# KiCad board FrontEnd_5G.kicad_pcb (continued)
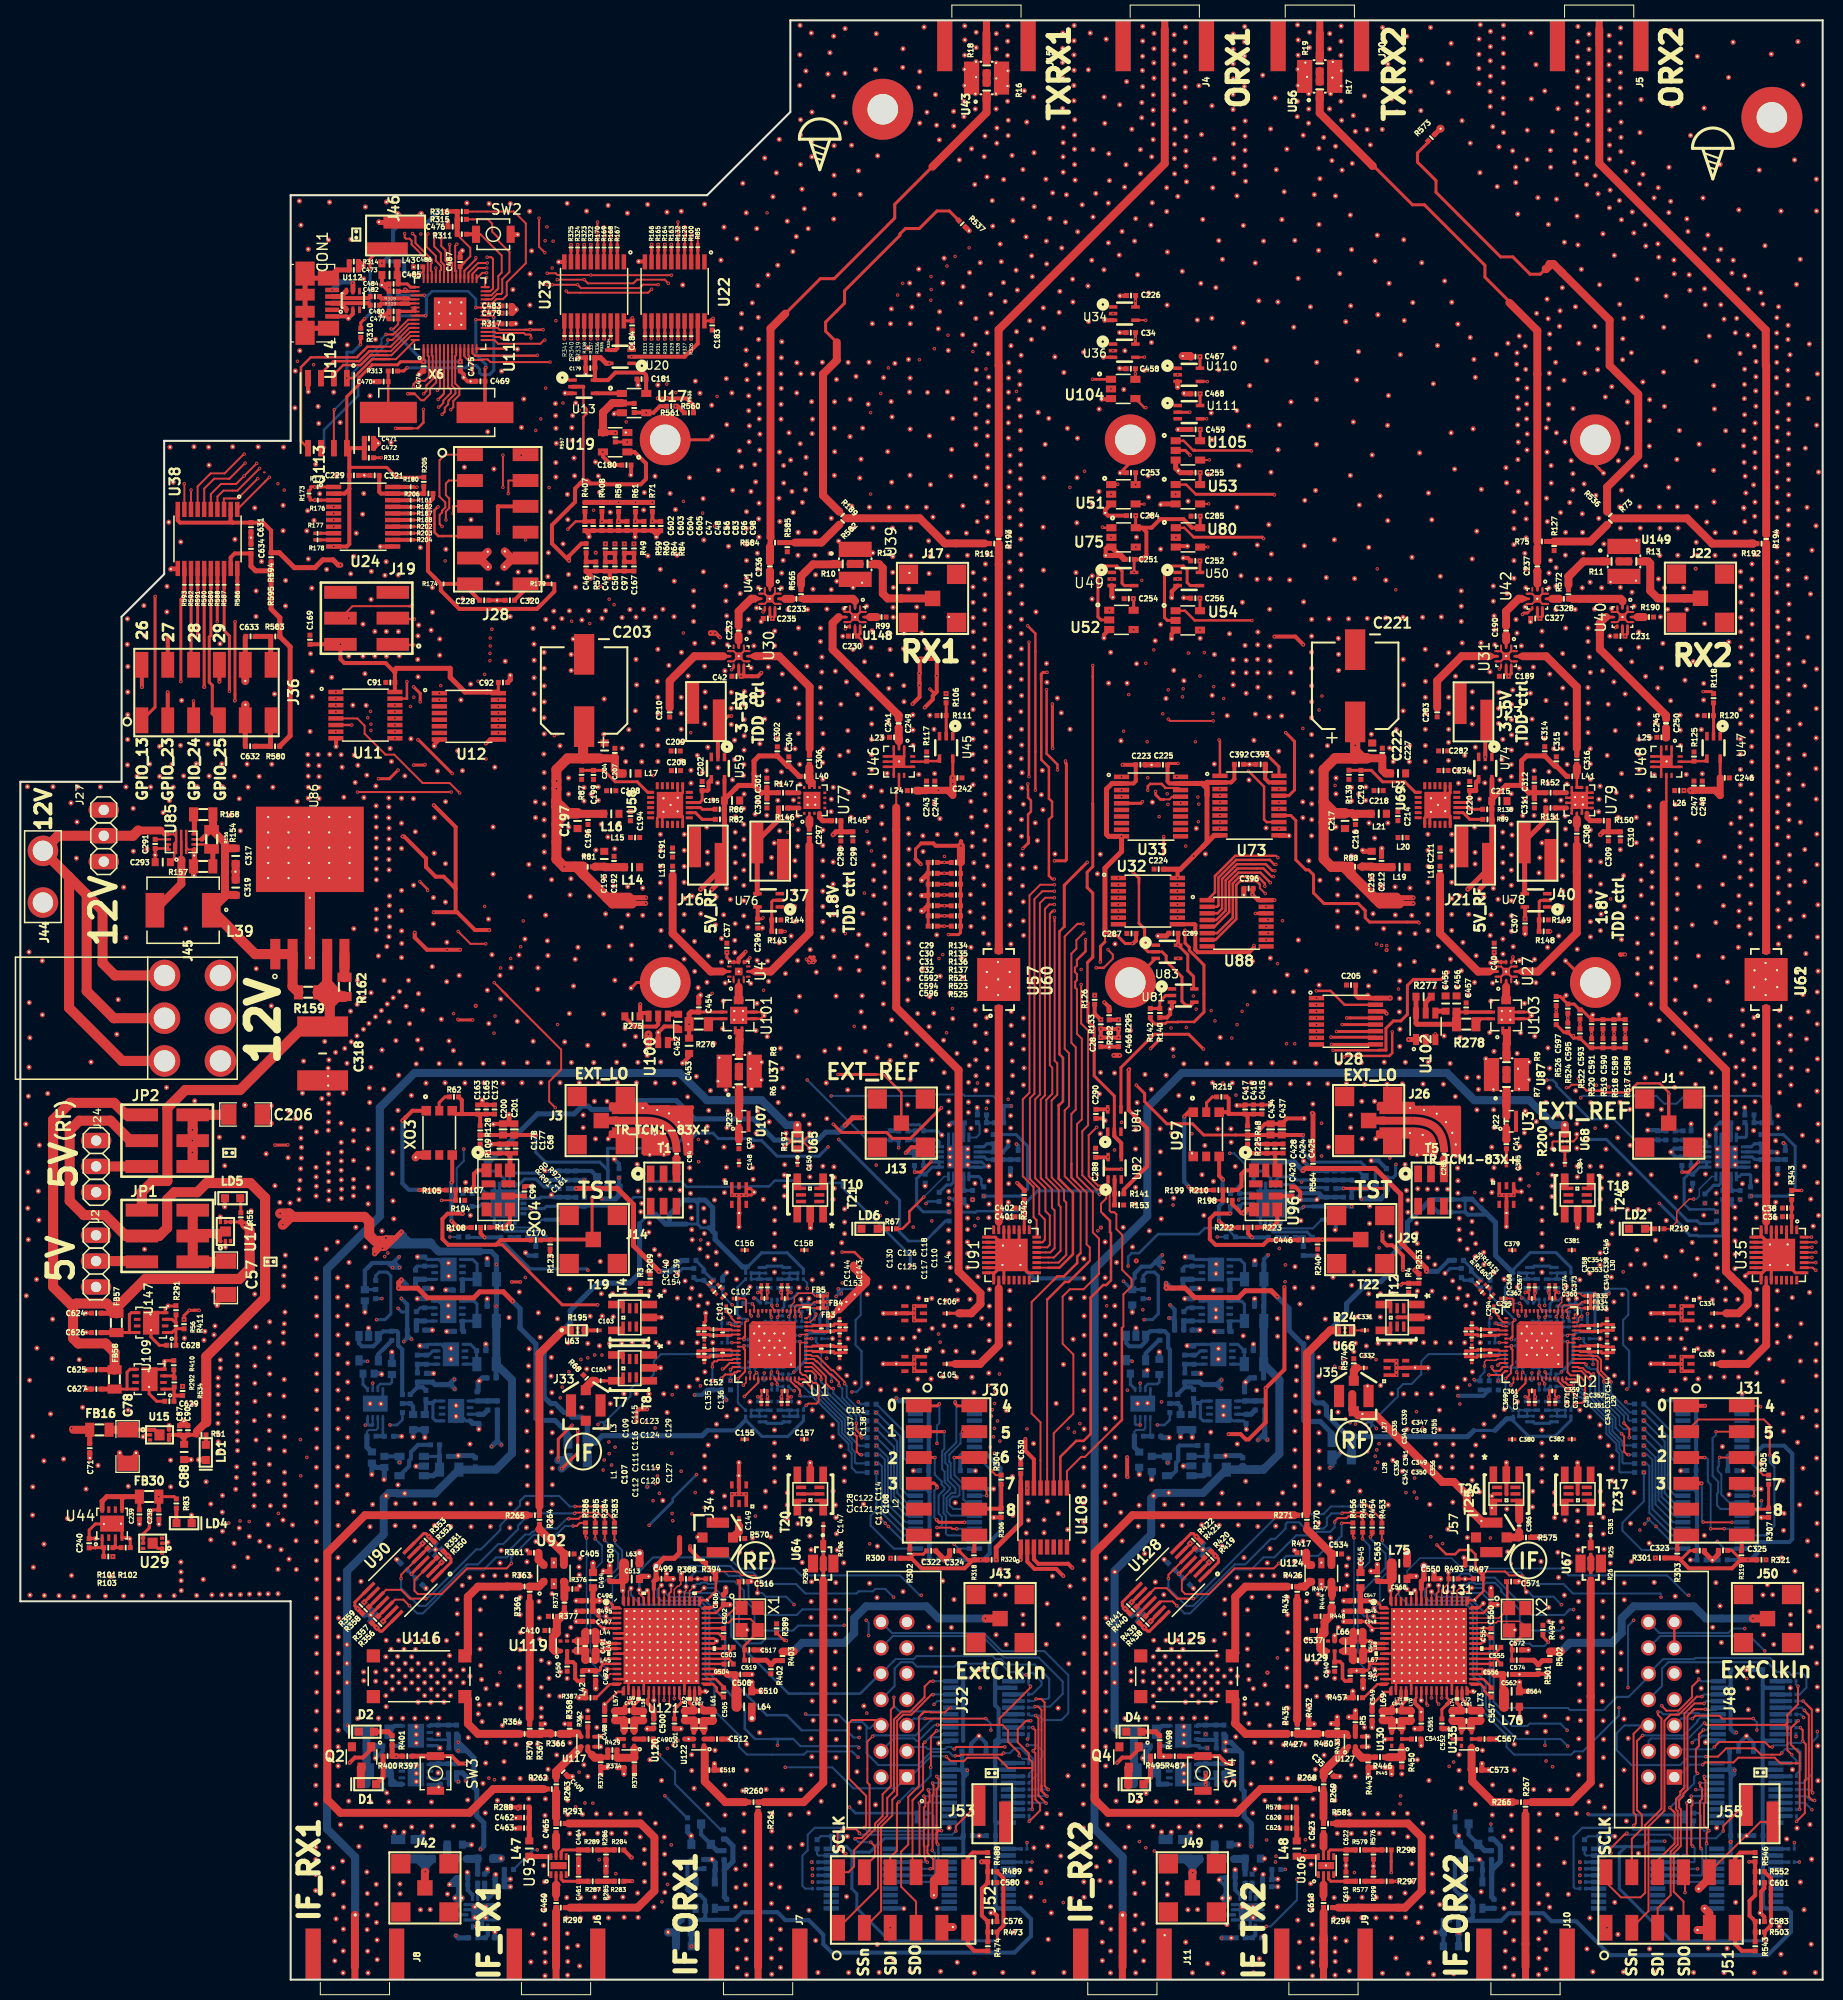
[diagram p0: board, top side]
## Placement (name value [footprint] x y rotation side) (continued)
GND_VIA#2513  VAL**  [GND_VIA#3]  58.44 98.23 90 top
GND_VIA#2514  VAL**  [GND_VIA#3]  110.91 165.77 90 top
GND_VIA#2515  VAL**  [GND_VIA#3]  112.73 164.59 90 top
GND_VIA#2516  VAL**  [GND_VIA#3]  117.81 158.23 90 top
GND_VIA#2517  VAL**  [GND_VIA#3]  119.36 160.4 90 top
GND_VIA#2518  VAL**  [GND_VIA#3]  119.59 154.23 90 top
GND_VIA#2519  VAL**  [GND_VIA#3]  117.06 154 90 top
GND_VIA#2520  VAL**  [GND_VIA#3]  139.31 160.62 90 top
GND_VIA#2521  VAL**  [GND_VIA#3]  158.93 96.8 90 top
GND_VIA#2522  VAL**  [GND_VIA#3]  158.97 98.87 90 top
GND_VIA#2523  VAL**  [GND_VIA#3]  158.99 100.37 90 top
GND_VIA#2524  VAL**  [GND_VIA#3]  158.97 101.88 90 top
GND_VIA#2525  VAL**  [GND_VIA#3]  157.6 108.51 90 top
GND_VIA#2526  VAL**  [GND_VIA#3]  157.69 105.5 90 top
GND_VIA#2527  VAL**  [GND_VIA#3]  157.4 102.23 90 top
GND_VIA#2528  VAL**  [GND_VIA#3]  158.93 104.34 90 top
GND_VIA#2529  VAL**  [GND_VIA#3]  164.67 87.99 90 top
GND_VIA#2530  VAL**  [GND_VIA#3]  124.53 98.75 90 top
GND_VIA#2531  VAL**  [GND_VIA#3]  63.87 146.08 90 top
GND_VIA#2532  VAL**  [GND_VIA#3]  29.33 152.96 0 top
GND_VIA#2533  VAL**  [GND_VIA#3]  26.99 154.49 0 top
GND_VIA#2534  VAL**  [GND_VIA#3]  32.47 138.18 0 top
GND_VIA#2535  VAL**  [GND_VIA#3]  28.16 142.4 0 top
GND_VIA#2536  VAL**  [GND_VIA#3]  28.24 144.38 0 top
GND_VIA#2537  VAL**  [GND_VIA#3]  30.8 156.03 0 top
GND_VIA#2538  VAL**  [GND_VIA#3]  27.03 158.12 0 top
GND_VIA#2539  VAL**  [GND_VIA#3]  45.94 152.14 0 top
GND_VIA#2540  VAL**  [GND_VIA#3]  57.78 174.39 0 top
GND_VIA#2541  VAL**  [GND_VIA#3]  44.3 143.5 0 top
GND_VIA#2542  VAL**  [GND_VIA#3]  43.65 148.66 0 top
GND_VIA#2543  VAL**  [GND_VIA#3]  99.98 111.96 90 top
GND_VIA#2544  VAL**  [GND_VIA#3]  99.8 109.31 90 top
GND_VIA#2545  VAL**  [GND_VIA#3]  100.47 118.86 90 top
GND_VIA#2546  VAL**  [GND_VIA#3]  106.97 127.44 90 top
GND_VIA#2547  VAL**  [GND_VIA#3]  99.84 134.44 90 top
GND_VIA#2548  VAL**  [GND_VIA#3]  100.55 142.77 90 top
GND_VIA#2549  VAL**  [GND_VIA#3]  100.06 154.05 90 top
GND_VIA#2550  VAL**  [GND_VIA#3]  106.03 146.27 90 top
GND_VIA#2551  VAL**  [GND_VIA#3]  101.69 159.5 90 top
GND_VIA#2552  VAL**  [GND_VIA#3]  101.09 153.46 90 top
GND_VIA#2553  VAL**  [GND_VIA#3]  102.93 152.48 90 top
GND_VIA#2554  VAL**  [GND_VIA#3]  100.88 129.37 90 top
GND_VIA#2555  VAL**  [GND_VIA#3]  100.92 127.52 90 top
GND_VIA#2556  VAL**  [GND_VIA#3]  101.94 125.96 90 top
GND_VIA#2557  VAL**  [GND_VIA#3]  102.33 124.51 90 top
GND_VIA#2558  VAL**  [GND_VIA#3]  107.18 130.46 90 top
GND_VIA#2559  VAL**  [GND_VIA#3]  100.58 138.54 90 top
GND_VIA#2560  VAL**  [GND_VIA#3]  103.77 138.3 90 top
GND_VIA#2561  VAL**  [GND_VIA#3]  103.86 143.19 90 top
GND_VIA#2562  VAL**  [GND_VIA#3]  100.61 147.62 90 top
GND_VIA#2563  VAL**  [GND_VIA#3]  103.88 147.62 90 top
GND_VIA#2564  VAL**  [GND_VIA#3]  100.74 150.9 90 top
GND_VIA#2565  VAL**  [GND_VIA#3]  106.19 89.16 90 top
GND_VIA#2566  VAL**  [GND_VIA#3]  107.56 89.11 90 top
GND_VIA#2567  VAL**  [GND_VIA#3]  99.77 113.7 90 top
GND_VIA#2568  VAL**  [GND_VIA#3]  100.52 114.98 90 top
GND_VIA#2569  VAL**  [GND_VIA#3]  120.13 135.38 90 top
GND_VIA#2570  VAL**  [GND_VIA#3]  103.92 151.5 90 top
GND_VIA#2571  VAL**  [GND_VIA#3]  104.53 159.97 90 top
GND_VIA#2572  VAL**  [GND_VIA#3]  108.58 160.11 90 top
GND_VIA#2573  VAL**  [GND_VIA#3]  108.47 156.3 90 top
GND_VIA#2574  VAL**  [GND_VIA#3]  109.72 141.79 90 top
GND_VIA#2575  VAL**  [GND_VIA#3]  128.38 137.81 90 top
GND_VIA#2576  VAL**  [GND_VIA#3]  161.34 128.93 90 top
GND_VIA#2577  VAL**  [GND_VIA#3]  161.46 131.34 90 top
GND_VIA#2578  VAL**  [GND_VIA#3]  164.44 129.56 90 top
GND_VIA#2579  VAL**  [GND_VIA#3]  163.63 127.72 90 top
GND_VIA#2580  VAL**  [GND_VIA#3]  165.47 125.78 90 top
GND_VIA#2581  VAL**  [GND_VIA#3]  165.47 127.41 90 top
GND_VIA#2582  VAL**  [GND_VIA#3]  165.56 133.28 90 top
GND_VIA#2583  VAL**  [GND_VIA#3]  167.94 131.48 90 top
GND_VIA#2584  VAL**  [GND_VIA#3]  167.22 33.14 90 top
GND_VIA#2585  VAL**  [GND_VIA#3]  166.36 34.63 90 top
GND_VIA#2586  VAL**  [GND_VIA#3]  166.68 39.02 90 top
GND_VIA#2587  VAL**  [GND_VIA#3]  167.08 36.73 90 top
GND_VIA#2588  VAL**  [GND_VIA#3]  105.35 135.71 90 top
GND_VIA#2589  VAL**  [GND_VIA#3]  105.36 137.97 90 top
GND_VIA#2590  VAL**  [GND_VIA#3]  121.57 137.64 90 top
GND_VIA#2591  VAL**  [GND_VIA#3]  134.23 137.55 90 top
GND_VIA#2592  VAL**  [GND_VIA#3]  105 162.98 90 top
GND_VIA#2593  VAL**  [GND_VIA#3]  85.54 162.76 90 top
GND_VIA#2594  VAL**  [GND_VIA#3]  176.12 140.5 90 top
GND_VIA#2595  VAL**  [GND_VIA#3]  176.52 142.9 90 top
GND_VIA#2596  VAL**  [GND_VIA#3]  176.56 128.83 90 top
GND_VIA#2597  VAL**  [GND_VIA#3]  175.42 127.16 90 top
GND_VIA#2598  VAL**  [GND_VIA#3]  59.68 173.63 0 top
GND_VIA#2599  VAL**  [GND_VIA#3]  46.08 174.56 90 top
GND_VIA#2600  VAL**  [GND_VIA#3]  55.66 173.83 90 top
GND_VIA#2601  VAL**  [GND_VIA#3]  50.07 173.81 90 top
GND_VIA#2602  VAL**  [GND_VIA#3]  63.57 173.73 90 top
GND_VIA#2603  VAL**  [GND_VIA#3]  93.26 171.9 90 top
GND_VIA#2604  VAL**  [GND_VIA#3]  81.56 151.67 90 top
GND_VIA#2605  VAL**  [GND_VIA#3]  81.57 155.33 90 top
GND_VIA#2606  VAL**  [GND_VIA#3]  82.15 157.58 90 top
GND_VIA#2607  VAL**  [GND_VIA#3]  83.43 158.97 90 top
GND_VIA#2608  VAL**  [GND_VIA#3]  87.31 159.25 90 top
GND_VIA#2609  VAL**  [GND_VIA#3]  77.9 157.85 90 top
GND_VIA#2610  VAL**  [GND_VIA#3]  78.84 158.97 90 top
GND_VIA#2611  VAL**  [GND_VIA#3]  139.61 181.93 90 top
GND_VIA#2612  VAL**  [GND_VIA#3]  160.17 155.3 90 top
GND_VIA#2613  VAL**  [GND_VIA#3]  160.15 153.24 90 top
GND_VIA#2614  VAL**  [GND_VIA#3]  160.14 150.73 90 top
GND_VIA#2615  VAL**  [GND_VIA#3]  157.96 150.52 90 top
GND_VIA#2616  VAL**  [GND_VIA#3]  157.97 153.03 90 top
GND_VIA#2617  VAL**  [GND_VIA#3]  157.99 155.09 90 top
GND_VIA#2618  VAL**  [GND_VIA#3]  157.09 149.29 90 top
GND_VIA#2619  VAL**  [GND_VIA#3]  157.4 146.4 90 top
GND_VIA#2620  VAL**  [GND_VIA#3]  155.62 148.07 90 top
GND_VIA#2621  VAL**  [GND_VIA#3]  154.88 145.88 90 top
GND_VIA#2622  VAL**  [GND_VIA#3]  157.5 159.23 90 top
GND_VIA#2623  VAL**  [GND_VIA#3]  157.53 161.29 90 top
GND_VIA#2624  VAL**  [GND_VIA#3]  155.06 160.29 90 top
GND_VIA#2625  VAL**  [GND_VIA#3]  155.05 158.23 90 top
GND_VIA#2626  VAL**  [GND_VIA#3]  157.63 163.28 90 top
GND_VIA#2627  VAL**  [GND_VIA#3]  152.63 154.42 90 top
GND_VIA#2628  VAL**  [GND_VIA#3]  140.01 166.96 90 top
GND_VIA#2629  VAL**  [GND_VIA#3]  135.99 171.01 90 top
GND_VIA#2630  VAL**  [GND_VIA#3]  94.36 168.76 90 top
GND_VIA#2631  VAL**  [GND_VIA#3]  85.62 164.22 90 top
GND_VIA#2632  VAL**  [GND_VIA#3]  73.5 167.55 90 top
GND_VIA#2633  VAL**  [GND_VIA#3]  71.95 164.81 90 top
GND_VIA#2634  VAL**  [GND_VIA#3]  147.2 157.29 90 top
GND_VIA#2635  VAL**  [GND_VIA#3]  22.67 141.74 0 top
GND_VIA#2636  VAL**  [GND_VIA#3]  14.79 138.64 0 top
GND_VIA#2637  VAL**  [GND_VIA#3]  22.11 127.64 0 top
GND_VIA#2638  VAL**  [GND_VIA#3]  22.13 125.32 0 top
GND_VIA#2639  VAL**  [GND_VIA#3]  38.66 168.34 90 top
GND_VIA#2640  VAL**  [GND_VIA#3]  111.84 102.59 90 top
GND_VIA#2641  VAL**  [GND_VIA#3]  95.09 153.11 90 top
GND_VIA#2642  VAL**  [GND_VIA#3]  90.69 166.77 90 top
GND_VIA#2643  VAL**  [GND_VIA#8]  132.65 180 270 bottom
GND_VIA#2644  VAL**  [GND_VIA#3]  168.37 190.43 270 bottom
GND_VIA#2645  VAL**  [GND_VIA#3]  164.18 181.27 270 bottom
GND_VIA#2646  VAL**  [GND_VIA#3]  150.08 165.18 270 bottom
GND_VIA#2647  VAL**  [GND_VIA#3]  175.74 155.41 270 bottom
GND_VIA#2648  VAL**  [GND_VIA#3]  175.63 144.71 270 bottom
GND_VIA#2649  VAL**  [GND_VIA#3]  171.09 165.81 270 bottom
GND_VIA#2650  VAL**  [GND_VIA#3]  145.1 159.75 270 bottom
GND_VIA#2651  VAL**  [GND_VIA#3]  174.41 178.86 270 bottom
GND_VIA#2652  VAL**  [GND_VIA#3]  151.58 166.3 270 bottom
GND_VIA#2653  VAL**  [GND_VIA#3]  133.45 163.64 270 bottom
GND_VIA#2654  VAL**  [GND_VIA#3]  156.69 169.48 270 bottom
GND_VIA#2655  VAL**  [GND_VIA#3]  117.13 163.3 270 bottom
GND_VIA#2656  VAL**  [GND_VIA#3]  127.66 172.52 270 bottom
GND_VIA#2657  VAL**  [GND_VIA#3]  127.62 169.97 270 bottom
GND_VIA#2658  VAL**  [GND_VIA#3]  172.12 189.26 270 bottom
GND_VIA#2659  VAL**  [GND_VIA#3]  136.88 164.84 270 bottom
GND_VIA#2660  VAL**  [GND_VIA#3]  133.39 171.46 270 bottom
GND_VIA#2661  VAL**  [GND_VIA#3]  129.28 175.32 270 bottom
GND_VIA#2662  VAL**  [GND_VIA#8]  133.93 178.8 270 bottom
GND_VIA#2663  VAL**  [GND_VIA#3]  150.41 179.81 270 bottom
GND_VIA#2664  VAL**  [GND_VIA#3]  133.17 168.92 270 bottom
GND_VIA#2665  VAL**  [GND_VIA#8]  134.29 180.2 270 bottom
GND_VIA#2666  VAL**  [GND_VIA#3]  126.82 164.42 270 bottom
GND_VIA#2667  VAL**  [GND_VIA#8]  131.11 181.28 270 bottom
GND_VIA#2668  VAL**  [GND_VIA#3]  157.22 164.67 270 bottom
GND_VIA#2669  VAL**  [GND_VIA#3]  141.31 162.72 270 bottom
GND_VIA#2670  VAL**  [GND_VIA#3]  173.07 173.84 270 bottom
GND_VIA#2671  VAL**  [GND_VIA#3]  154.78 162.5 270 bottom
GND_VIA#2672  VAL**  [GND_VIA#3]  130.29 162.96 270 bottom
GND_VIA#2673  VAL**  [GND_VIA#3]  142.89 159.25 270 bottom
GND_VIA#2674  VAL**  [GND_VIA#3]  167.92 186.97 270 bottom
GND_VIA#2675  VAL**  [GND_VIA#3]  149.18 175.15 270 bottom
GND_VIA#2676  VAL**  [GND_VIA#3]  138.78 186.46 270 bottom
GND_VIA#2677  VAL**  [GND_VIA#3]  175.86 160.76 270 bottom
GND_VIA#2678  VAL**  [GND_VIA#3]  162.06 178.14 270 bottom
GND_VIA#2679  VAL**  [GND_VIA#3]  159.21 181.55 270 bottom
GND_VIA#2680  VAL**  [GND_VIA#3]  164.85 189.03 270 bottom
GND_VIA#2681  VAL**  [GND_VIA#3]  174.74 190.49 270 bottom
GND_VIA#2682  VAL**  [GND_VIA#3]  165.52 183.95 270 bottom
GND_VIA#2683  VAL**  [GND_VIA#3]  162.22 191.6 270 bottom
GND_VIA#2684  VAL**  [GND_VIA#3]  159.32 184.79 270 bottom
GND_VIA#2685  VAL**  [GND_VIA#3]  162.34 184.17 270 bottom
GND_VIA#2686  VAL**  [GND_VIA#3]  165.41 175.12 270 bottom
GND_VIA#2687  VAL**  [GND_VIA#3]  168.38 169 270 bottom
GND_VIA#2688  VAL**  [GND_VIA#3]  171.3 164.69 270 bottom
GND_VIA#2689  VAL**  [GND_VIA#3]  165.89 171.48 270 bottom
GND_VIA#2690  VAL**  [GND_VIA#3]  169.52 167.47 270 bottom
GND_VIA#2691  VAL**  [GND_VIA#3]  159.51 177.44 270 bottom
GND_VIA#2692  VAL**  [GND_VIA#3]  161.01 176.13 270 bottom
GND_VIA#2693  VAL**  [GND_VIA#3]  162.23 174.79 270 bottom
GND_VIA#2694  VAL**  [GND_VIA#3]  163.82 173.07 270 bottom
GND_VIA#2695  VAL**  [GND_VIA#3]  160.6 175.13 270 bottom
GND_VIA#2696  VAL**  [GND_VIA#3]  159.17 176.5 270 bottom
GND_VIA#2697  VAL**  [GND_VIA#3]  157.83 177.76 270 bottom
GND_VIA#2698  VAL**  [GND_VIA#3]  167.16 170.08 270 bottom
GND_VIA#2699  VAL**  [GND_VIA#3]  162.05 173.68 270 bottom
GND_VIA#2700  VAL**  [GND_VIA#3]  156.22 180.32 270 bottom
GND_VIA#2701  VAL**  [GND_VIA#3]  158.55 178.57 270 bottom
GND_VIA#2702  VAL**  [GND_VIA#3]  169.88 166.17 270 bottom
GND_VIA#2703  VAL**  [GND_VIA#3]  165.57 170.11 270 bottom
GND_VIA#2704  VAL**  [GND_VIA#3]  166.91 168.99 270 bottom
GND_VIA#2705  VAL**  [GND_VIA#3]  168.25 167.73 270 bottom
GND_VIA#2706  VAL**  [GND_VIA#3]  163.93 171.82 270 bottom
GND_VIA#2707  VAL**  [GND_VIA#3]  161.06 169.3 270 bottom
GND_VIA#2708  VAL**  [GND_VIA#3]  165.63 164.62 270 bottom
GND_VIA#2709  VAL**  [GND_VIA#3]  164.12 166.04 270 bottom
GND_VIA#2710  VAL**  [GND_VIA#3]  162.58 167.66 270 bottom
GND_VIA#2711  VAL**  [GND_VIA#3]  167.48 163.21 270 bottom
GND_VIA#2712  VAL**  [GND_VIA#3]  155.09 175.53 270 bottom
GND_VIA#2713  VAL**  [GND_VIA#3]  157.19 174.87 270 bottom
GND_VIA#2714  VAL**  [GND_VIA#3]  152.77 178.63 270 bottom
GND_VIA#2715  VAL**  [GND_VIA#3]  153.03 177.43 270 bottom
GND_VIA#2716  VAL**  [GND_VIA#3]  152.91 181.43 270 bottom
GND_VIA#2717  VAL**  [GND_VIA#3]  159.78 170.39 270 bottom
GND_VIA#2718  VAL**  [GND_VIA#3]  165.56 166.2 270 bottom
GND_VIA#2719  VAL**  [GND_VIA#3]  156.21 174.15 270 bottom
GND_VIA#2720  VAL**  [GND_VIA#3]  157.39 172.98 270 bottom
GND_VIA#2721  VAL**  [GND_VIA#3]  158.61 171.68 270 bottom
GND_VIA#2722  VAL**  [GND_VIA#3]  162.55 169.02 270 bottom
GND_VIA#2723  VAL**  [GND_VIA#3]  160.98 170.61 270 bottom
GND_VIA#2724  VAL**  [GND_VIA#3]  159.71 172.49 270 bottom
GND_VIA#2725  VAL**  [GND_VIA#3]  158.45 173.75 270 bottom
GND_VIA#2726  VAL**  [GND_VIA#3]  167.16 164.63 270 bottom
GND_VIA#2727  VAL**  [GND_VIA#3]  164.05 167.57 270 bottom
GND_VIA#2728  VAL**  [GND_VIA#3]  151.36 164.04 270 bottom
GND_VIA#2729  VAL**  [GND_VIA#3]  151.31 162.5 270 bottom
GND_VIA#2730  VAL**  [GND_VIA#3]  153.21 160.84 270 bottom
GND_VIA#2731  VAL**  [GND_VIA#3]  150.34 161.75 270 bottom
GND_VIA#2732  VAL**  [GND_VIA#3]  150.19 163.25 270 bottom
GND_VIA#2733  VAL**  [GND_VIA#3]  150.31 160.33 270 bottom
GND_VIA#2734  VAL**  [GND_VIA#3]  147.34 161.55 270 bottom
GND_VIA#2735  VAL**  [GND_VIA#3]  146.24 160.84 270 bottom
GND_VIA#2736  VAL**  [GND_VIA#3]  147.93 160.56 270 bottom
GND_VIA#2737  VAL**  [GND_VIA#3]  149.05 163.78 270 bottom
GND_VIA#2738  VAL**  [GND_VIA#3]  169.05 159.84 270 bottom
GND_VIA#2739  VAL**  [GND_VIA#3]  169.83 161.66 270 bottom
GND_VIA#2740  VAL**  [GND_VIA#3]  168.59 161.87 270 bottom
GND_VIA#2741  VAL**  [GND_VIA#3]  170.47 160.53 270 bottom
GND_VIA#2742  VAL**  [GND_VIA#3]  168.72 163.29 270 bottom
GND_VIA#2743  VAL**  [GND_VIA#3]  142.81 152.43 270 bottom
GND_VIA#2744  VAL**  [GND_VIA#3]  143.03 157.49 270 bottom
GND_VIA#2745  VAL**  [GND_VIA#3]  143.62 146.48 270 bottom
GND_VIA#2746  VAL**  [GND_VIA#3]  127.43 158.96 270 bottom
GND_VIA#2747  VAL**  [GND_VIA#8]  132.75 177.02 270 bottom
GND_VIA#2748  VAL**  [GND_VIA#3]  131.37 157.24 270 bottom
GND_VIA#2749  VAL**  [GND_VIA#3]  176.77 148.18 270 bottom
GND_VIA#2750  VAL**  [GND_VIA#3]  176.58 152.79 270 bottom
GND_VIA#2751  VAL**  [GND_VIA#3]  176.66 157.83 270 bottom
GND_VIA#2752  VAL**  [GND_VIA#3]  174.6 166.63 270 bottom
GND_VIA#2753  VAL**  [GND_VIA#3]  176.57 173.84 270 bottom
GND_VIA#2754  VAL**  [GND_VIA#3]  176.55 176.97 270 bottom
GND_VIA#2755  VAL**  [GND_VIA#3]  137.76 168.76 270 bottom
IC1  NF_AD5513  [AD5513]  45.2 6.62 270 bottom
IC2  NF_AD5513  [AD5513]  120.65 6.62 270 bottom
J1  NF_SMA_vert_SMD  [SMA_vert_SMD]  162.04 84.19 0 top
J2  PIN_HEADER_1X3  [pin_header_1x3]  7.44 70.63 90 top
J3  SMA_VERT_SMD  [SMA_vert_SMD]  57.1 84.44 0 top
J4  SMA_H_142-0701-851  [SMA_H]  112.5 190.08 90 top
J5  SMA_H_142-0701-851  [SMA_H]  155.2 190.08 90 top
J6  SMA_H_142-0701-851  [SMA_H]  52.66 2.52 270 top
J7  SMA_H_142-0701-851  [SMA_H]  72.52 2.52 270 top
J8  SMA_H_142-0701-851  [SMA_H]  32.89 2.52 270 top
J9  SMA_H_142-0701-851  [SMA_H]  128.1 2.52 270 top
J10  SMA_H_142-0701-851  [SMA_H]  147.96 2.52 270 top
J11  SMA_H_142-0701-851  [SMA_H]  108.33 2.52 270 top
J12  Jumper_SNM-100-BK-T  [SNM-100-BK-T]  24.59 70.57 90 top
J13  SMA_VERT_SMD  [SMA_vert_SMD]  86.6 84.19 180 top
J14  SMA_VERT_SMD  [SMA_vert_SMD]  56.32 72.75 0 top
J15  SMA_H_142-0701-851  [SMA_H]  94.97 190.08 90 top
J16  -  [TSM-102-04-T-SV]  67.58 110.53 0 top
J17  SMA_VERT_SMD  [SMA_vert_SMD]  89.67 135.76 0 top
J18  -  [TSM-102-04-T-SV]  67.4 124.64 0 top
J19  -  [TSM-103-04-F-DV]  34.04 133.82 180 top
J20  SMA_H_142-0701-851  [SMA_H]  127.74 190.08 90 top
J21  -  [TSM-102-04-T-SV]  143.02 110.53 0 top
J22  SMA_VERT_SMD  [SMA_vert_SMD]  165.16 135.78 0 top
J23  -  [TSM-102-04-T-SV]  142.84 124.62 0 top
J24  PIN_HEADER_1X3  [pin_header_1x3]  7.45 79.93 270 top
J25  Jumper_SNM-100-BK-T  [SNM-100-BK-T]  20.54 81.27 90 top
J26  SMA_VERT_SMD  [SMA_vert_SMD]  132.54 84.44 0 top
J27  PIN_HEADER_1X3  [pin_header_1x3]  8.2 112.44 90 top
J28  -  [PMOD_CONN]  46.93 143.54 0 top
J29  NF_SMA_vert_SMD  [SMA_vert_SMD]  131.76 72.74 0 top
J30  -  [PMOD_CONN]  91.05 50.05 0 top
J31  -  [PMOD_CONN]  166.49 50.05 0 top
J32  -  [10056844-114LF]  85.88 27.53 90 top
J33  NF_UMC_SMD  [UMC_SMD]  55.58 56.44 180 top
J34  NF_UMC_SMD  [UMC_SMD]  68.56 43.46 90 top
J35  -  [UMC_SMD]  131.08 57.37 180 top
J36  -  [PMOD_CONN]  18.3 126.51 90 top
J37  -  [TSM-102-04-T-SV]  73.71 110.92 0 top
J40  -  [TSM-102-04-T-SV]  149.15 110.92 0 top
J42  -  [SMA_vert_SMD]  39.77 9.02 0 top
J43  -  [SMA_vert_SMD]  96.31 35.49 0 top
J44  -  [1744037-2]  2.22 108.41 270 top
J45  -  [0353180620]  16.92 94.5 270 top
J46  -  [TSM-102-04-T-SV]  36.88 171.44 90 top
J47  Jumper_SNM-100-BK-T  [SNM-100-BK-T]  33.02 171.52 0 top
J48  -  [10056844-114LF]  161.32 27.53 90 top
J49  -  [SMA_vert_SMD]  115.21 9.02 0 top
J50  -  [SMA_vert_SMD]  171.75 35.49 0 top
J51  -  [PMOD_CONN]  162.22 7.83 90 top
J52  -  [PMOD_CONN]  86.78 7.83 90 top
J53  -  [TSM-102-04-T-SV]  95.54 16.31 0 top
J54  Jumper_SNM-100-BK-T  [SNM-100-BK-T]  95.5 20.3 90 top
J55  -  [TSM-102-04-T-SV]  170.98 16.31 0 top
J56  Jumper_SNM-100-BK-T  [SNM-100-BK-T]  171.05 20.36 90 top
J57  -  [UMC_SMD]  144.6 43.47 90 top
JP1  -  [PINHEADER_2X3]  14.52 73.06 0 top
JP2  -  [PINHEADER_2X3]  14.51 82.43 0 top
L1  L_NF  [SMD0201]  66.63 61.51 90 top
L2  1.6nH_0201_LQP03TN1N6B02D  [SMD0201]  81.14 61.91 270 top
L3  L_NF  [SMD0201]  66.63 63.71 90 top
L4  1.6nH_0201_LQP03TN1N6B02D  [SMD0201]  81.14 64.11 270 top
L5  8.2nH_0402_LQW15AN8N2G00D  [IND_0402]  72.67 56.4 90 bottom
L6  3.6nH_0402_LQW15AN3N6C10D  [IND_0402]  74.66 56.4 90 bottom
L7  8.2nH_0402_LQW15AN8N2G00D  [IND_0402]  73.61 68.42 270 bottom
L8  3.6nH_0402_LQW15AN3N6C10D  [IND_0402]  75.6 68.42 270 bottom
L9  8.2nH_0402_LQW15AN8N2G00D  [IND_0402]  73.62 56.4 90 bottom
L10  3.6nH_0402_LQW15AN3N6C10D  [IND_0402]  75.62 56.4 90 bottom
L11  8.2nH_0402_LQW15AN8N2G00D  [IND_0402]  72.65 68.42 270 bottom
L12  3.6nH_0402_LQW15AN3N6C10D  [IND_0402]  74.65 68.42 270 bottom
L13  1.2nH_0402_0402CS-1N2XJLU  [SMD0402]  64.12 108.99 270 top
L14  10nH_0603_0603HP-10NXGLW  [SMD0603#2]  60.13 109.34 0 top
L15  2.4nH_0402_0402CS-2N4XGLU  [SMD0402]  60.43 112.26 180 top
L16  10nH_0603_0603HP-10NXGLW  [SMD0603#2]  58.09 114.59 0 top
L17  3.3nH_0603_0603HP-3N3XJLW  [SMD0603#2]  59.98 118.56 0 top
L18  1.2nH_0402_0402CS-1N2XJLU  [SMD0402]  139.56 108.99 270 top
L19  10nH_0603_0603HP-10NXGLW  [SMD0603#2]  135.58 109.34 0 top
L20  2.4nH_0402_0402CS-2N4XGLU  [SMD0402]  135.88 112.25 180 top
L21  10nH_0603_0603HP-10NXGLW  [SMD0603#2]  133.53 114.59 0 top
L22  3.3nH_0603_0603HP-3N3XJLW  [SMD0603#2]  135.43 118.56 0 top
L23  47nH_0402_LQW04AN47NH20D  [SMD0402]  85.89 122.11 180 top
L24  56nH_0402_LQW15AW56NJ80D  [SMD0402]  87.64 116.87 180 top
L25  47nH_0402_LQW04AN47NH20D  [SMD0402]  161.33 122.11 180 top
L26  56nH_0402_LQW15AW56NJ80D  [SMD0402]  163.08 116.88 180 top
L27  L_NF  [SMD0201]  142.08 63.71 90 top
L28  L  [SMD0201]  142.08 61.51 90 top
L29  1.6nH_0201_LQP03TN1N6B02D  [SMD0201]  156.59 61.91 270 top
L30  1.6nH_0201_LQP03TN1N6B02D  [SMD0201]  156.58 64.11 270 top
L31  8.2NH_0402  [IND_0402]  149.06 68.43 270 bottom
L32  3.6nH_0402_LQW15AN3N6C10D  [IND_0402]  148.12 56.4 90 bottom
L33  3.6nH_0402_LQW15AN3N6C10D  [IND_0402]  150.1 56.4 90 bottom
L34  3.6nH_0402_LQW15AN3N6C10D  [IND_0402]  151.05 68.43 270 bottom
L35  8.2NH_0402  [IND_0402]  148.1 68.43 270 bottom
L36  3.6nH_0402_LQW15AN3N6C10D  [IND_0402]  149.07 56.4 90 bottom
L37  3.6nH_0402_LQW15AN3N6C10D  [IND_0402]  151.06 56.4 90 bottom
L38  3.6nH_0402_LQW15AN3N6C10D  [IND_0402]  150.09 68.43 270 bottom
L39  -  [SPM6530T-2R2M]  16 105.11 180 top
L40  12nH_0402_0402CS-12NXJLW  [SMD0402]  77.11 118.27 0 top
L41  12nH_0402_0402CS-12NXJLW  [SMD0402]  152.56 118.28 0 top
L42  470R_0402_BLM15BD471SN1D  [SMD0402]  55.27 29.87 270 top
L43  470R_0603_BLM18PG471SN1D  [SMD0603#2]  36.29 168.69 0 top
L44  5.6nH_0402_HK10055N6S-T  [SMD0402]  56.04 34.19 180 top
L45  5.6nH_0402_HK10055N6S-T  [SMD0402]  56.03 31.41 180 top
L46  18nH_0402_HK100518NJ-T  [SMD0402]  56.55 32.79 270 top
L47  68nH_0603_0603CS-68NXJLW  [SMD0603#2]  50.03 12.89 270 top
L48  68nH_0603_0603CS-68NXJLW  [SMD0603#2]  125.47 12.89 270 top
L57  1.2nH_0402_HK10051N2S-T  [SMD0402]  58.45 25.94 270 top
L58  1.2nH_0402_HK10051N2S-T  [SMD0402]  61.24 25.93 270 top
L59  3.3nH_0402_HK10053N3S-T  [SMD0402]  59.85 26.44 0 top
L60  8.2nH_0402_HK10058N2J-T  [SMD0402]  66.71 26.44 180 top
L61  2.2nH_0402_HK10052N2S-T  [SMD0402]  68.1 25.94 90 top
L62  2.2nH_0402_HK10052N2S-T  [SMD0402]  65.31 25.93 90 top
L63  120R_0603_BLM18AG121SN1D  [SMD0603#2]  60.1 40.91 180 top
L64  120R_0603_BLM18AG121SN1D  [SMD0603#2]  71.15 26.82 180 top
L65  470R_0402_BLM15BD471SN1D  [SMD0402]  130.73 29.87 270 top
L66  5.6nH_0402_HK10055N6S-T  [SMD0402]  131.49 34.19 180 top
L67  5.6nH_0402_HK10055N6S-T  [SMD0402]  131.49 31.39 180 top
L68  18nH_0402_HK100518NJ-T  [SMD0402]  132 32.79 270 top
L69  1.2nH_0402_HK10051N2S-T  [SMD0402]  133.9 25.94 270 top
L70  1.2nH_0402_HK10051N2S-T  [SMD0402]  136.7 25.93 270 top
L71  3.3nH_0402_HK10053N3S-T  [SMD0402]  135.3 26.44 0 top
L72  8.2nH_0402_HK10058N2J-T  [SMD0402]  142.16 26.44 180 top
L73  2.2nH_0402_HK10052N2S-T  [SMD0402]  143.55 25.94 90 top
L74  2.2nH_0402_HK10052N2S-T  [SMD0402]  140.76 25.94 90 top
L75  120R_0603_BLM18AG121SN1D  [SMD0603#2]  135.55 40.92 180 top
L76  120R_0603_BLM18AG121SN1D  [SMD0603#2]  146.6 26.82 180 top
LD1  LED  [LED_0603#2]  18.23 51.82 270 top
LD2  LED  [LED_0603]  158.92 73.8 180 top
LD4  LED  [LED_0603#2]  16.09 44.87 0 top
LD5  LED  [LED_0603#2]  20.86 76.81 180 top
LD6  LED  [LED_0603]  83.48 73.8 180 top
Mounting Pad  VAL**  [Mounting Pad]  66.47 184.67 0 top
Mounting Pad#2  VAL**  [Mounting Pad#2]  183.77 185.29 0 top
Q1  NF_MMBT3904  [MMBT3904]  66.92 14.3 180 bottom
Q2  2N7002  [SOT-23]  33.54 21.89 180 top
Q3  NF_MMBT3904  [MMBT3904]  142.36 14.31 180 bottom
Q4  2N7002  [SOT-23]  108.99 21.89 180 top
R1  0R_0201  [SMD0201]  70.21 61.49 180 bottom
R2  10K_0402  [SMD0402]  71.12 66.93 90 bottom
R3  NF_10K_0402  [SMD0402]  60.96 68 90 top
R4  NF_10K_0402  [SMD0402]  136.47 68 90 top
R5  49.9R_0402_ERJ-U02F49R9X  [SMD0402]  131.24 25.3 270 top
R6  0R_0603_NF  [SMD0603#2]  70.63 88.01 270 top
R7  0R_0603_NF  [SMD0603#2]  146.09 87.74 270 top
R8  0R_0603_NF  [SMD0603#2]  70.64 90.49 270 top
R9  0R_0603_NF  [SMD0603#2]  146.09 90.18 270 top
R10  0R_0603_NF  [SMD0603#2]  80.84 139.15 180 top
R11  0R_0603_NF  [SMD0603#2]  156.42 139.4 180 top
R12  0R_0603_NF  [SMD0603#2]  83.28 139.15 180 top
R13  0R_0603_NF  [SMD0603#2]  158.85 139.4 180 top
R14  20K_0402_CRCW040220K0FKEDC  [SMD0402]  40.77 52.57 0 bottom
R15  20K_0402_CRCW040220K0FKEDC  [SMD0402]  36.51 63.29 90 bottom
R16  0R_0603_NF  [SMD0603#2]  94.99 185.67 270 top
R17  0R_0603_NF  [SMD0603#2]  127.73 185.79 270 top
R18  0R_0603_NF  [SMD0603#2]  94.99 188.16 270 top
R19  0R_0603_NF  [SMD0603#2]  127.73 188.35 270 top
R20  20K_0402_CRCW040220K0FKEDC  [SMD0402]  116.2 52.5 0 bottom
R21  20K_0402_CRCW040220K0FKEDC  [SMD0402]  112.02 63.3 90 bottom
R22  0R_0402_NF  [SMD0402]  146.08 84.37 90 top
R23  0R_0402_NF  [SMD0402]  70.64 84.37 90 top
R24  NF_0R_0603_RCS06030000Z0EA  [SMD0603#2]  130.2 63.82 180 top
R25  0R_0201_NF  [SMD0201]  154.37 42.08 90 top
R26  0R_0201_NF  [SMD0201]  154.37 39.73 90 top
R27  110K_0402  [SMD0402]  42.08 20.77 270 bottom
R28  34K8_0402  [SMD0402]  41.73 19.22 180 bottom
R29  19K6_0402  [SMD0402]  45.95 56.43 270 bottom
R30  34K8_0402  [SMD0402]  45.05 55.12 270 bottom
R31  110K_0402  [SMD0402]  39.02 60.94 90 bottom
R32  34K8_0402  [SMD0402]  39.91 61.84 90 bottom
R33  23K2_0402  [SMD0402]  38.85 69.29 90 bottom
R34  34K8_0402  [SMD0402]  39.75 70.58 90 bottom
R35  44K2_0402  [SMD0402]  38.93 65.21 90 bottom
R36  34K8_0402  [SMD0402]  39.75 66.49 90 bottom
R37  0R_0402  [SMD0402]  37.56 56.18 270 bottom
R38  0R_0402_NF  [SMD0402]  37.56 57.07 90 bottom
R39  0R_0402  [SMD0402]  34.93 67.38 270 bottom
R40  0R_0402_NF  [SMD0402]  34.93 68.28 90 bottom
R41  10K_0402  [SMD0402]  36.23 53.41 0 bottom
R42  0R_0402  [SMD0402]  67.19 69.19 90 bottom
R43  44K2_0402  [SMD0402]  42.08 24.57 270 bottom
R44  34K8_0402  [SMD0402]  41.68 22.77 180 bottom
R45  4K99_0402  [SMD0402]  34.52 53.42 0 bottom
R46  0R_0402  [SMD0402]  42.88 20.77 270 bottom
R47  0R_0402  [SMD0402]  42.88 24.57 270 bottom
R48  0R_0402_NF  [SMD0402]  120.64 83.47 90 top
R49  0R_0402  [SMD0402]  55.62 140.7 90 top
R50  0R_0402  [SMD0402]  46.89 56.44 270 bottom
R51  680R_0402  [SMD0402]  17.8 53.55 0 top
R52  0R_0402  [SMD0402]  38.4 67.94 180 bottom
R53  0R_0402  [SMD0402]  38.48 63.85 180 bottom
R54  0R_0402  [SMD0402]  39.03 59.18 270 bottom
R55  680R_0402  [SMD0402]  21.67 74.93 90 top
R56  110K_0402  [SMD0201]  15.29 64.26 90 top
R57  20K_0402_CRCW040220K0FKEDC  [SMD0402]  56.57 138.9 90 top
R58  20K_0402_CRCW040220K0FKEDC  [SMD0402]  58.81 144.75 90 top
R59  0R_0402  [SMD0402]  57.51 140.67 90 top
R60  20K_0402_CRCW040220K0FKEDC  [SMD0402]  58.45 140.67 90 top
R61  20K_0402_CRCW040220K0FKEDC  [SMD0402]  60.47 144.75 90 top
R62  0R_0402  [SMD0402]  42.62 86.77 180 top
R63  69K8_0402  [SMD0402]  86.77 82.53 180 bottom
R64  0R_0402  [SMD0402]  59.37 140.67 90 top
R65  5K1_0402  [SMD0402]  86.79 83.42 180 bottom
R66  10R_0402  [SMD0402]  88.34 80.02 0 bottom
R67  470R_0402  [SMD0402]  85.68 73.8 180 top
R68  NF_49.9R_0402_ERJ-U02F49R9X  [SMD0402]  55.67 59.11 135 top
R69  1K_0402  [SMD0402]  94.71 77.47 90 bottom
R70  10K_0402  [SMD0402]  88.33 81.69 0 bottom
R71  20K_0402_CRCW040220K0FKEDC  [SMD0402]  62.13 144.75 90 top
R72  110K_0402  [SMD0402]  117.52 20.77 270 bottom
R73  0R_0402_NF  [SMD0402]  156.3 143.32 225 top
